# Altium PCB PCB1.PcbDoc (part 5 of 15) (continued)
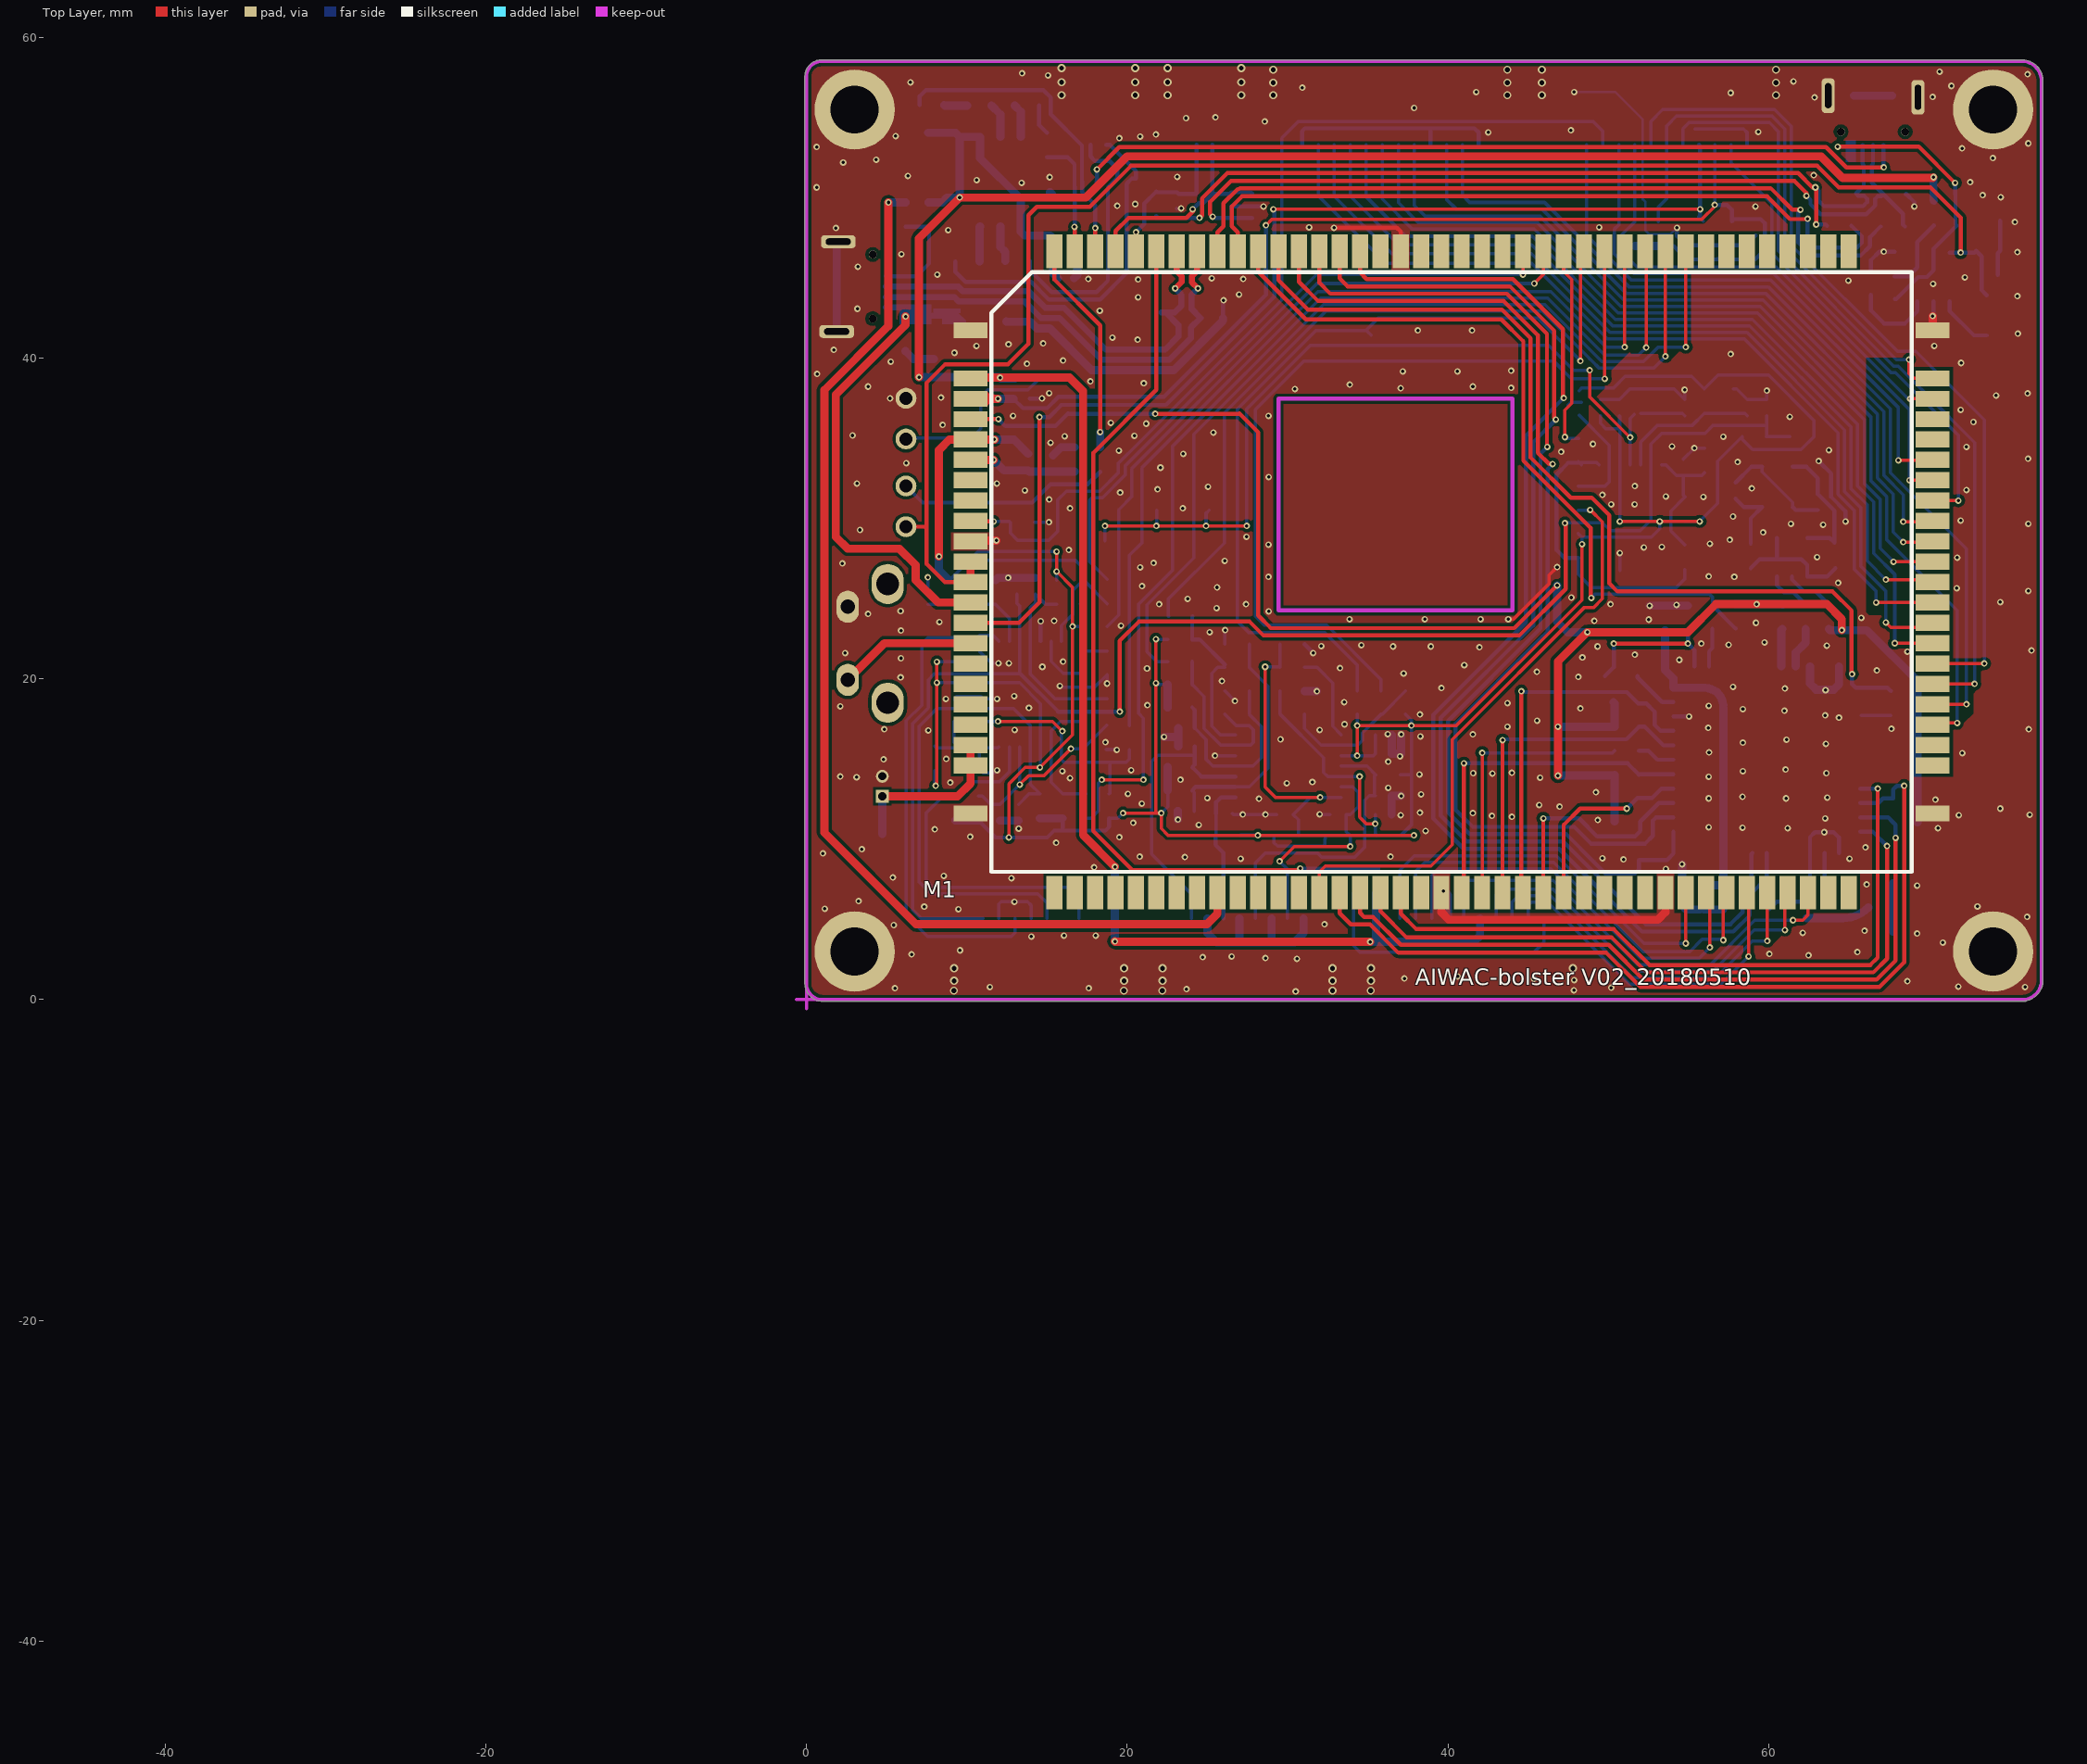
[diagram p0: Top Layer view]
## Free pads (board coordinates) (continued)
1(-45.268,-43.975) 1(-45.268,-43.975) 1(-45.268,-43.975) 1(-45.268,-43.975) 1(-45.268,-43.975) 1(-45.268,-43.975) 1(-45.268,-43.98) 1(-45.268,-43.98) 1(-45.268,-43.98) 1(-45.268,-43.976) 1(-45.268,-43.976) 1(-45.268,-43.976) 1(-45.268,-43.976) 1(-45.268,-43.976) 1(-45.268,-43.976) 1(-45.268,-43.99) 1(-45.268,-43.99) 1(-45.268,-43.99) 1(-45.268,-44.01) 1(-45.268,-44.01) 1(-45.268,-44.01) 1(-45.268,-43.97) 1(-45.268,-43.97) 1(-45.268,-43.97) 1(-45.268,-44.001) 1(-45.268,-44.001) 1(-45.268,-44.001) 1(-45.268,-43.999) 1(-45.268,-43.999) 1(-45.268,-43.999) 1(-45.268,-43.978) 1(-45.268,-43.978) 1(-45.268,-43.978) 1(-45.268,-43.977) 1(-45.268,-43.977) 1(-45.268,-43.977) 1(-45.268,-43.977) 1(-45.268,-43.977) 1(-45.268,-43.977) 1(-45.268,-44.005) 1(-45.268,-44.005) 1(-45.268,-44.005) 1(-45.268,-43.977) 1(-45.268,-43.977) 1(-45.268,-43.977) 1(-45.268,-43.977) 1(-45.268,-43.977) 1(-45.268,-43.977) 1(-45.268,-43.975) 1(-45.268,-43.975) 1(-45.268,-43.975) 1(-45.268,-43.975) 1(-45.268,-43.975) 1(-45.268,-43.975) 1(-45.268,-43.981) 1(-45.268,-43.981) 1(-45.268,-43.981) 1(-45.268,-43.998) 1(-45.268,-43.998) 1(-45.268,-43.998) 1(-45.268,-44.002) 1(-45.268,-44.002) 1(-45.268,-44.002) 1(-45.267,-43.973) 1(-45.267,-43.973) 1(-45.267,-43.973) 1(-45.267,-43.973) 1(-45.267,-43.973) 1(-45.267,-43.973) 1(-45.267,-43.974) 1(-45.267,-43.974) 1(-45.267,-43.974) 1(-45.267,-43.974) 1(-45.267,-43.974) 1(-45.267,-43.974) 1(-45.267,-43.977) 1(-45.267,-43.977) 1(-45.267,-43.977) 1(-45.267,-43.977) 1(-45.267,-43.977) 1(-45.267,-43.977) 1(-45.267,-43.975) 1(-45.267,-43.975) 1(-45.267,-43.975) 1(-45.267,-43.975) 1(-45.267,-43.975) 1(-45.267,-43.975) 1(-45.267,-44.022) 1(-45.267,-44.022) 1(-45.267,-44.022) 1(-45.267,-44.006) 1(-45.267,-44.006) 1(-45.267,-44.006) 1(-45.267,-43.974) 1(-45.267,-43.974) 1(-45.267,-43.974) 1(-45.267,-43.974) 1(-45.267,-43.974) 1(-45.267,-43.974) 1(-45.267,-43.978) 1(-45.267,-43.978) 1(-45.267,-43.978) 1(-45.267,-43.977) 1(-45.267,-43.977) 1(-45.267,-43.977) 1(-45.267,-43.977) 1(-45.267,-43.977) 1(-45.267,-43.977) 1(-45.267,-43.988) 1(-45.267,-43.988) 1(-45.267,-43.988) 1(-45.267,-43.988) 1(-45.267,-43.988) 1(-45.267,-43.988) 1(-45.267,-43.981) 1(-45.267,-43.981) 1(-45.267,-43.981) 1(-45.267,-43.974) 1(-45.267,-43.974) 1(-45.267,-43.974) 1(-45.267,-43.974) 1(-45.267,-43.974) 1(-45.267,-43.974) 1(-45.267,-43.988) 1(-45.267,-43.988) 1(-45.267,-43.988) 1(-45.267,-43.988) 1(-45.267,-43.988) 1(-45.267,-43.988) 1(-45.267,-43.974) 1(-45.267,-43.974) 1(-45.267,-43.974) 1(-45.267,-43.974) 1(-45.267,-43.974) 1(-45.267,-43.974) 1(-45.267,-44.016) 1(-45.267,-44.016) 1(-45.267,-44.016) 1(-45.267,-43.975) 1(-45.267,-43.975) 1(-45.267,-43.975) 1(-45.267,-43.975) 1(-45.267,-43.975) 1(-45.267,-43.975) 1(-45.266,-44.013) 1(-45.266,-44.013) 1(-45.266,-44.013) 1(-45.266,-43.98) 1(-45.266,-43.98) 1(-45.266,-43.98) 1(-45.266,-44) 1(-45.266,-44) 1(-45.266,-44) 1(-45.266,-43.996) 1(-45.266,-43.996) 1(-45.266,-43.996) 1(-45.266,-43.995) 1(-45.266,-43.995) 1(-45.266,-43.995) 1(-45.266,-43.995) 1(-45.266,-43.995) 1(-45.266,-43.995) 1(-45.266,-44.001) 1(-45.266,-44.001) 1(-45.266,-44.001) 1(-45.266,-44.001) 1(-45.266,-44.001) 1(-45.266,-44.001) 1(-45.266,-44.015) 1(-45.266,-44.015) 1(-45.266,-44.015) 1(-45.266,-44.015) 1(-45.266,-44.015) 1(-45.266,-44.015) 1(-45.266,-44.015) 1(-45.266,-44.015) 1(-45.266,-44.015) 1(-45.265,-43.98) 1(-45.265,-43.98) 1(-45.265,-43.98) 1(-45.265,-43.98) 1(-45.265,-43.98) 1(-45.265,-43.98) 1(-45.265,-43.978) 1(-45.265,-43.978) 1(-45.265,-43.978) 1(-45.265,-44.001) 1(-45.265,-44.001) 1(-45.265,-44.001) 1(-45.265,-44.001) 1(-45.265,-44.001) 1(-45.265,-44.001) 1(-45.265,-43.99) 1(-45.265,-43.99) 1(-45.265,-43.99) 1(-45.265,-43.99) 1(-45.265,-43.99) 1(-45.265,-43.99) 1(-45.265,-44.012) 1(-45.265,-44.012) 1(-45.265,-44.012) 1(-45.265,-44.002) 1(-45.265,-44.002) 1(-45.265,-44.002) 1(-45.265,-44.002) 1(-45.265,-44.002) 1(-45.265,-44.002) 1(-45.265,-43.975) 1(-45.265,-43.975) 1(-45.265,-43.975) 1(-45.265,-43.97) 1(-45.265,-43.97) 1(-45.265,-43.97) 1(-45.265,-44.012) 1(-45.265,-44.012) 1(-45.265,-44.012) 1(-45.265,-44.012) 1(-45.265,-44.012) 1(-45.265,-44.012) 1(-45.265,-44.004) 1(-45.265,-44.004) 1(-45.265,-44.004) 1(-45.265,-44.004) 1(-45.265,-44.004) 1(-45.265,-44.004) 1(-45.265,-44.022) 1(-45.265,-44.022) 1(-45.265,-44.022) 1(-45.265,-44.013) 1(-45.265,-44.013) 1(-45.265,-44.013) 1(-45.265,-43.977) 1(-45.265,-43.977) 1(-45.265,-43.977) 1(-45.265,-43.977) 1(-45.265,-43.977) 1(-45.265,-43.977) 1(-45.265,-43.999) 1(-45.265,-43.999) 1(-45.265,-43.999) 1(-45.265,-43.997) 1(-45.265,-43.997) 1(-45.265,-43.997) 1(-45.265,-43.989) 1(-45.265,-43.989) 1(-45.265,-43.989) 1(-45.265,-44.001) 1(-45.265,-44.001) 1(-45.265,-44.001) 1(-45.265,-43.992) 1(-45.265,-43.992) 1(-45.265,-43.992) 1(-45.265,-44.002) 1(-45.265,-44.002) 1(-45.265,-44.002) 1(-45.265,-44.002) 1(-45.265,-44.002) 1(-45.265,-44.002) 1(-45.265,-43.976) 1(-45.265,-43.976) 1(-45.265,-43.976) 1(-45.265,-43.976) 1(-45.265,-43.976) 1(-45.265,-43.976) 1(-45.265,-43.976) 1(-45.265,-43.976) 1(-45.265,-43.976) 1(-45.265,-43.976) 1(-45.265,-43.976) 1(-45.265,-43.976) 1(-45.264,-44.012) 1(-45.264,-44.012) 1(-45.264,-44.012) 1(-45.264,-44.012) 1(-45.264,-44.012) 1(-45.264,-44.012) 1(-45.264,-43.98) 1(-45.264,-43.98) 1(-45.264,-43.98) 1(-45.264,-43.98) 1(-45.264,-43.98) 1(-45.264,-43.98) 1(-45.264,-43.978) 1(-45.264,-43.978) 1(-45.264,-43.978) 1(-45.264,-44.016) 1(-45.264,-44.016) 1(-45.264,-44.016) 1(-45.264,-44.016) 1(-45.264,-44.016) 1(-45.264,-44.016) 1(-45.264,-44.009) 1(-45.264,-44.009) 1(-45.264,-44.009) 1(-45.264,-44.011) 1(-45.264,-44.011) 1(-45.264,-44.011) 1(-45.263,-44.015) 1(-45.263,-44.015) 1(-45.263,-44.015) 1(-45.263,-44.015) 1(-45.263,-44.015) 1(-45.263,-44.015) 1(-45.263,-43.987) 1(-45.263,-43.987) 1(-45.263,-43.987) 1(-45.263,-44.024) 1(-45.263,-44.024) 1(-45.263,-44.024) 1(-45.263,-44.022) 1(-45.263,-44.022) 1(-45.263,-44.022) 1(-45.263,-44.017) 1(-45.263,-44.017) 1(-45.263,-44.017) 1(-45.263,-44.017) 1(-45.263,-44.017) 1(-45.263,-44.017) 1(-45.263,-43.98) 1(-45.263,-43.98) 1(-45.263,-43.98) 1(-45.263,-43.98) 1(-45.263,-43.98) 1(-45.263,-43.98) 1(-45.263,-43.978) 1(-45.263,-43.978) 1(-45.263,-43.978) 1(-45.263,-44.017) 1(-45.263,-44.017) 1(-45.263,-44.017) 1(-45.263,-44.017) 1(-45.263,-44.017) 1(-45.263,-44.017) 1(-45.263,-43.968) 1(-45.263,-43.968) 1(-45.263,-43.968) 1(-45.263,-43.983) 1(-45.263,-43.983) 1(-45.263,-43.983) 1(-45.263,-43.983) 1(-45.263,-43.983) 1(-45.263,-43.983) 1(-45.262,-43.982) 1(-45.262,-43.982) 1(-45.262,-43.982) 1(-45.262,-43.982) 1(-45.262,-43.982) 1(-45.262,-43.982) 1(-45.262,-43.977) 1(-45.262,-43.977) 1(-45.262,-43.977) 1(-45.262,-44.011) 1(-45.262,-44.011) 1(-45.262,-44.011) 1(-45.262,-44.003) 1(-45.262,-44.003) 1(-45.262,-44.003) 1(-45.262,-44.006) 1(-45.262,-44.006) 1(-45.262,-44.006) 1(-45.262,-43.981) 1(-45.262,-43.981) 1(-45.262,-43.981) 1(-45.262,-43.981) 1(-45.262,-43.981) 1(-45.262,-43.981) 1(-45.262,-44.018) 1(-45.262,-44.018) 1(-45.262,-44.018) 1(-45.262,-44.017) 1(-45.262,-44.017) 1(-45.262,-44.017) 1(-45.262,-44.017) 1(-45.262,-44.017) 1(-45.262,-44.017) 1(-45.262,-43.98) 1(-45.262,-43.98) 1(-45.262,-43.98) 1(-45.262,-43.98) 1(-45.262,-43.98) 1(-45.262,-43.98) 1(-45.262,-43.978) 1(-45.262,-43.978) 1(-45.262,-43.978) 1(-45.262,-44.013) 1(-45.262,-44.013) 1(-45.262,-44.013) 1(-45.262,-44.008) 1(-45.262,-44.008) 1(-45.262,-44.008) 1(-45.262,-44.012) 1(-45.262,-44.012) 1(-45.262,-44.012) 1(-45.262,-44.012) 1(-45.262,-44.012) 1(-45.262,-44.012) 1(-45.262,-44.003) 1(-45.262,-44.003) 1(-45.262,-44.003) 1(-45.261,-44.02) 1(-45.261,-44.02) 1(-45.261,-44.02) 1(-45.261,-44.017) 1(-45.261,-44.017) 1(-45.261,-44.017) 1(-45.261,-44.017) 1(-45.261,-44.017) 1(-45.261,-44.017) 1(-45.261,-43.981) 1(-45.261,-43.981) 1(-45.261,-43.981) 1(-45.261,-43.981) 1(-45.261,-43.981) 1(-45.261,-43.981) 1(-45.261,-43.977) 1(-45.261,-43.977) 1(-45.261,-43.977) 1(-45.261,-43.977) 1(-45.261,-43.977) 1(-45.261,-43.977) 1(-45.26,-44.02) 1(-45.26,-44.02) 1(-45.26,-44.02) 1(-45.26,-44.02) 1(-45.26,-44.02) 1(-45.26,-44.02) 1(-45.26,-44.018) 1(-45.26,-44.018) 1(-45.26,-44.018) 1(-45.26,-43.98) 1(-45.26,-43.98) 1(-45.26,-43.98) 1(-45.26,-43.98) 1(-45.26,-43.98) 1(-45.26,-43.98) 1(-45.26,-43.978) 1(-45.26,-43.978) 1(-45.26,-43.978) 1(-45.26,-44.004) 1(-45.26,-44.004) 1(-45.26,-44.004) 1(-45.26,-44.006) 1(-45.26,-44.006) 1(-45.26,-44.006) 1(-45.26,-44.008) 1(-45.26,-44.008) 1(-45.26,-44.008) 1(-45.26,-43.98) 1(-45.26,-43.98) 1(-45.26,-43.98) 1(-45.26,-43.98) 1(-45.26,-43.98) 1(-45.26,-43.98) 1(-45.26,-44.001) 1(-45.26,-44.001) 1(-45.26,-44.001) 1(-45.26,-43.987) 1(-45.26,-43.987) 1(-45.26,-43.987) 1(-45.26,-44.015) 1(-45.26,-44.015) 1(-45.26,-44.015) 1(-45.26,-44.015) 1(-45.26,-44.015) 1(-45.26,-44.015) 1(-45.26,-44.02) 1(-45.26,-44.02) 1(-45.26,-44.02) 1(-45.26,-44.02) 1(-45.26,-44.02) 1(-45.26,-44.02) 1(-45.259,-44.01) 1(-45.259,-44.01) 1(-45.259,-44.01) 1(-45.259,-44.01) 1(-45.259,-44.01) 1(-45.259,-44.01) 1(-45.259,-44.008) 1(-45.259,-44.008) 1(-45.259,-44.008) 1(-45.259,-44.008) 1(-45.259,-44.008) 1(-45.259,-44.008) 1(-45.259,-44.008) 1(-45.259,-44.008) 1(-45.259,-44.008) 1(-45.259,-44.014) 1(-45.259,-44.014) 1(-45.259,-44.014) 1(-45.259,-44.014) 1(-45.259,-44.014) 1(-45.259,-44.014) 1(-45.259,-44.011) 1(-45.259,-44.011) 1(-45.259,-44.011) 1(-45.259,-44.011) 1(-45.259,-44.011) 1(-45.259,-44.011) 1(-45.259,-44.02) 1(-45.259,-44.02) 1(-45.259,-44.02) 1(-45.259,-44.02) 1(-45.259,-44.02) 1(-45.259,-44.02) 1(-45.259,-44.018) 1(-45.259,-44.018) 1(-45.259,-44.018) 1(-45.259,-43.98) 1(-45.259,-43.98) 1(-45.259,-43.98) 1(-45.259,-43.98) 1(-45.259,-43.98) 1(-45.259,-43.98) 1(-45.259,-43.978) 1(-45.259,-43.978) 1(-45.259,-43.978) 1(-45.259,-43.978) 1(-45.259,-43.978) 1(-45.259,-43.978) 1(-45.259,-43.978) 1(-45.259,-43.978) 1(-45.259,-43.978) 1(-45.259,-44.003) 1(-45.259,-44.003) 1(-45.259,-44.003) 1(-45.259,-44.02) 1(-45.259,-44.02) 1(-45.259,-44.02) 1(-45.259,-44.02) 1(-45.259,-44.02) 1(-45.259,-44.02) 1(-45.259,-44.014) 1(-45.259,-44.014) 1(-45.259,-44.014) 1(-45.259,-44.014) 1(-45.259,-44.014) 1(-45.259,-44.014) 1(-45.259,-43.98) 1(-45.259,-43.98) 1(-45.259,-43.98) 1(-45.259,-43.98) 1(-45.259,-43.98) 1(-45.259,-43.98) 1(-45.259,-44.02) 1(-45.259,-44.02) 1(-45.259,-44.02) 1(-45.259,-44.02) 1(-45.259,-44.02) 1(-45.259,-44.02) 1(-45.259,-44.021) 1(-45.259,-44.021) 1(-45.259,-44.021) 1(-45.258,-44.02) 1(-45.258,-44.02) 1(-45.258,-44.02) 1(-45.258,-44.02) 1(-45.258,-44.02) 1(-45.258,-44.02) 1(-45.258,-44.014) 1(-45.258,-44.014) 1(-45.258,-44.014) 1(-45.258,-44.014) 1(-45.258,-44.014) 1(-45.258,-44.014) 1(-45.258,-44.019) 1(-45.258,-44.019) 1(-45.258,-44.019) 1(-45.258,-44.019) 1(-45.258,-44.019) 1(-45.258,-44.019) 1(-45.258,-44.018) 1(-45.258,-44.018) 1(-45.258,-44.018) 1(-45.257,-44.008) 1(-45.257,-44.008) 1(-45.257,-44.008) 1(-45.257,-44.012) 1(-45.257,-44.012) 1(-45.257,-44.012) 1(-45.257,-44.01) 1(-45.257,-44.01) 1(-45.257,-44.01) 1(-45.257,-44.016) 1(-45.257,-44.016) 1(-45.257,-44.016) 1(-45.257,-44.003) 1(-45.257,-44.003) 1(-45.257,-44.003) 1(-45.257,-43.977) 1(-45.257,-43.977) 1(-45.257,-43.977) 1(-45.257,-43.977) 1(-45.257,-43.977) 1(-45.257,-43.977) 1(-45.257,-44.022) 1(-45.257,-44.022) 1(-45.257,-44.022) 1(-45.257,-44.022) 1(-45.257,-44.022) 1(-45.257,-44.022) 1(-45.257,-44.01) 1(-45.257,-44.01) 1(-45.257,-44.01) 1(-45.257,-44.02) 1(-45.257,-44.02) 1(-45.257,-44.02) 1(-45.257,-44.02) 1(-45.257,-44.02) 1(-45.257,-44.02) 1(-45.257,-44.018) 1(-45.257,-44.018) 1(-45.257,-44.018) 1(-45.257,-43.978) 1(-45.257,-43.978) 1(-45.257,-43.978) 1(-45.257,-43.977) 1(-45.257,-43.977) 1(-45.257,-43.977) 1(-45.257,-43.977) 1(-45.257,-43.977) 1(-45.257,-43.977) 1(-45.257,-44.022) 1(-45.257,-44.022) 1(-45.257,-44.022) 1(-45.257,-44.022) 1(-45.257,-44.022) 1(-45.257,-44.022) 1(-45.257,-44.013) 1(-45.257,-44.013) 1(-45.257,-44.013) 1(-45.257,-43.987) 1(-45.257,-43.987) 1(-45.257,-43.987) 1(-45.257,-44.012) 1(-45.257,-44.012) 1(-45.257,-44.012) 1(-45.257,-44.008) 1(-45.257,-44.008) 1(-45.257,-44.008) 1(-45.256,-43.986) 1(-45.256,-43.986) 1(-45.256,-43.986) 1(-45.256,-44.005) 1(-45.256,-44.005) 1(-45.256,-44.005) 1(-45.256,-44.024) 1(-45.256,-44.024) 1(-45.256,-44.024) 1(-45.256,-44.021) 1(-45.256,-44.021) 1(-45.256,-44.021) 1(-45.256,-44.021) 1(-45.256,-44.021) 1(-45.256,-44.021) 1(-45.256,-44.008) 1(-45.256,-44.008) 1(-45.256,-44.008) 1(-45.256,-44.008) 1(-45.256,-44.008) 1(-45.256,-44.008) 1(-45.256,-44.008) 1(-45.256,-44.008) 1(-45.256,-44.008) 1(-45.256,-44.015) 1(-45.256,-44.015) 1(-45.256,-44.015) 1(-45.256,-44.015) 1(-45.256,-44.015) 1(-45.256,-44.015) 1(-45.256,-43.969) 1(-45.256,-43.969) 1(-45.256,-43.969) 1(-45.256,-44.021) 1(-45.256,-44.021) 1(-45.256,-44.021) 1(-45.256,-44.021) 1(-45.256,-44.021) 1(-45.256,-44.021) 1(-45.256,-43.983) 1(-45.256,-43.983) 1(-45.256,-43.983) 1(-45.255,-44.011) 1(-45.255,-44.011) 1(-45.255,-44.011) 1(-45.255,-44.013) 1(-45.255,-44.013) 1(-45.255,-44.013) 1(-45.255,-44.007) 1(-45.255,-44.007) 1(-45.255,-44.007) 1(-45.255,-44.009) 1(-45.255,-44.009) 1(-45.255,-44.009) 1(-45.255,-44.012) 1(-45.255,-44.012) 1(-45.255,-44.012) 1(-45.255,-44.001) 1(-45.255,-44.001) 1(-45.255,-44.001) 1(-45.255,-44.014) 1(-45.255,-44.014) 1(-45.255,-44.014) 1(-45.255,-44.017) 1(-45.255,-44.017) 1(-45.255,-44.017) 1(-45.255,-44.017) 1(-45.255,-44.017) 1(-45.255,-44.017) 1(-45.255,-44.003) 1(-45.255,-44.003) 1(-45.255,-44.003) 1(-45.254,-44.005) 1(-45.254,-44.005) 1(-45.254,-44.005) 1(-45.254,-44.018) 1(-45.254,-44.018) 1(-45.254,-44.018) 1(-45.253,-44.015) 1(-45.253,-44.015) 1(-45.253,-44.015) 1(-45.253,-44.015) 1(-45.253,-44.015) 1(-45.253,-44.015) 1(-45.253,-44.009) 1(-45.253,-44.009) 1(-45.253,-44.009) 1(-45.253,-44.009) 1(-45.253,-44.009) 1(-45.253,-44.009) 1(-45.253,-44.008) 1(-45.253,-44.008) 1(-45.253,-44.008) 1(-45.253,-44.008) 1(-45.253,-44.008) 1(-45.253,-44.008) 1(-45.253,-43.986) 1(-45.253,-43.986) 1(-45.253,-43.986) 1(-45.253,-44.023) 1(-45.253,-44.023) 1(-45.253,-44.023) 1(-45.253,-44.018) 1(-45.253,-44.018) 1(-45.253,-44.018) 1(-45.253,-44.018) 1(-45.253,-44.018) 1(-45.253,-44.018) 1(-45.253,-44.018) 1(-45.253,-44.018) 1(-45.253,-44.018) 1(-45.253,-44.01) 1(-45.253,-44.01) 1(-45.253,-44.01) 1(-45.253,-44.01) 1(-45.253,-44.01) 1(-45.253,-44.01) 1(-45.253,-44.004) 1(-45.253,-44.004) 1(-45.253,-44.004) 1(-45.252,-43.983) 1(-45.252,-43.983) 1(-45.252,-43.983) 1(-45.252,-44.013) 1(-45.252,-44.013) 1(-45.252,-44.013) 1(-45.252,-44.008) 1(-45.252,-44.008) 1(-45.252,-44.008) 1(-45.252,-43.987) 1(-45.252,-43.987) 1(-45.252,-43.987) 1(-45.252,-44.011) 1(-45.252,-44.011) 1(-45.252,-44.011) 1(-45.252,-43.968) 1(-45.252,-43.968) 1(-45.252,-43.968) 1(-45.252,-44.003) 1(-45.252,-44.003) 1(-45.252,-44.003) 1(-45.252,-44.001) 1(-45.252,-44.001) 1(-45.252,-44.001) 1(-45.252,-44.019) 1(-45.252,-44.019) 1(-45.252,-44.019) 1(-45.252,-44.018) 1(-45.252,-44.018) 1(-45.252,-44.018) 1(-45.252,-44.018) 1(-45.252,-44.018) 1(-45.252,-44.018) 1(-45.252,-44.01) 1(-45.252,-44.01) 1(-45.252,-44.01) 1(-45.252,-44.01) 1(-45.252,-44.01) 1(-45.252,-44.01) 1(-45.252,-44.01) 1(-45.252,-44.01) 1(-45.252,-44.01) 1(-45.252,-44.01) 1(-45.252,-44.01) 1(-45.252,-44.01) 1(-45.251,-43.971) 1(-45.251,-43.971) 1(-45.251,-43.971) 1(-45.251,-44.013) 1(-45.251,-44.013) 1(-45.251,-44.013) 1(-45.251,-44.011) 1(-45.251,-44.011) 1(-45.251,-44.011) 1(-45.25,-43.983) 1(-45.25,-43.983) 1(-45.25,-43.983) 1(-45.25,-43.983) 1(-45.25,-43.983) 1(-45.25,-43.983) 1(-45.25,-43.982) 1(-45.25,-43.982) 1(-45.25,-43.982) 1(-45.25,-43.982) 1(-45.25,-43.982) 1(-45.25,-43.982) 1(-45.25,-44.018) 1(-45.25,-44.018) 1(-45.25,-44.018) 1(-45.25,-44.009) 1(-45.25,-44.009) 1(-45.25,-44.009) 1(-45.25,-44.009) 1(-45.25,-44.009) 1(-45.25,-44.009) 1(-45.25,-43.981) 1(-45.25,-43.981) 1(-45.25,-43.981) 1(-45.25,-43.981) 1(-45.25,-43.981) 1(-45.25,-43.981) 1(-45.25,-43.981) 1(-45.25,-43.981) 1(-45.25,-43.981) 1(-45.25,-43.981) 1(-45.25,-43.981) 1(-45.25,-43.981) 1(-45.25,-44.008) 1(-45.25,-44.008) 1(-45.25,-44.008) 1(-45.25,-44.006) 1(-45.25,-44.006) 1(-45.25,-44.006) 1(-45.25,-44.001) 1(-45.25,-44.001) 1(-45.25,-44.001) 1(-45.25,-44.001) 1(-45.25,-44.001) 1(-45.25,-44.001) 1(-45.25,-43.98) 1(-45.25,-43.98) 1(-45.25,-43.98) 1(-45.25,-43.98) 1(-45.25,-43.98) 1(-45.25,-43.98) 1(-45.25,-43.987) 1(-45.25,-43.987) 1(-45.25,-43.987) 1(-45.25,-43.986) 1(-45.25,-43.986) 1(-45.25,-43.986) 1(-45.25,-44.014) 1(-45.25,-44.014) 1(-45.25,-44.014) 1(-45.25,-44.011) 1(-45.25,-44.011) 1(-45.25,-44.011) 1(-45.25,-43.98) 1(-45.25,-43.98) 1(-45.25,-43.98) 1(-45.25,-43.98) 1(-45.25,-43.98) 1(-45.25,-43.98) 1(-45.25,-44.001) 1(-45.25,-44.001) 1(-45.25,-44.001) 1(-45.25,-44.001) 1(-45.25,-44.001) 1(-45.25,-44.001) 1(-45.25,-44.002) 1(-45.25,-44.002) 1(-45.25,-44.002) 1(-45.25,-44.002) 1(-45.25,-44.002) 1(-45.25,-44.002) 1(-45.249,-44.002) 1(-45.249,-44.002) 1(-45.249,-44.002) 1(-45.249,-44.002) 1(-45.249,-44.002) 1(-45.249,-44.002) 1(-45.249,-44.018) 1(-45.249,-44.018) 1(-45.249,-44.018) 1(-45.249,-44.018) 1(-45.249,-44.018) 1(-45.249,-44.018) 1(-45.249,-44.006) 1(-45.249,-44.006) 1(-45.249,-44.006) 1(-45.249,-44.006) 1(-45.249,-44.006) 1(-45.249,-44.006) 1(-45.249,-44.018) 1(-45.249,-44.018) 1(-45.249,-44.018) 1(-45.249,-43.98) 1(-45.249,-43.98) 1(-45.249,-43.98) 1(-45.249,-43.98) 1(-45.249,-43.98) 1(-45.249,-43.98) 1(-45.249,-43.978) 1(-45.249,-43.978) 1(-45.249,-43.978) 1(-45.249,-43.98) 1(-45.249,-43.98) 1(-45.249,-43.98) 1(-45.249,-43.98) 1(-45.249,-43.98) 1(-45.249,-43.98) 1(-45.249,-43.991) 1(-45.249,-43.991) 1(-45.249,-43.991) 1(-45.249,-43.991) 1(-45.249,-43.991) 1(-45.249,-43.991) 1(-45.249,-43.984) 1(-45.249,-43.984) 1(-45.249,-43.984) 1(-45.249,-43.984) 1(-45.249,-43.984) 1(-45.249,-43.984) 1(-45.248,-43.991) 1(-45.248,-43.991) 1(-45.248,-43.991) 1(-45.248,-43.991) 1(-45.248,-43.991) 1(-45.248,-43.991) 1(-45.248,-43.984) 1(-45.248,-43.984) 1(-45.248,-43.984) 1(-45.248,-43.984) 1(-45.248,-43.984) 1(-45.248,-43.984) 1(-45.248,-44.024) 1(-45.248,-44.024) 1(-45.248,-44.024) 1(-45.248,-43.98) 1(-45.248,-43.98) 1(-45.248,-43.98) 1(-45.248,-43.98) 1(-45.248,-43.98) 1(-45.248,-43.98) 1(-45.248,-44.004) 1(-45.248,-44.004) 1(-45.248,-44.004) 1(-45.248,-44.008) 1(-45.248,-44.008) 1(-45.248,-44.008) 1(-45.248,-43.991) 1(-45.248,-43.991) 1(-45.248,-43.991) 1(-45.248,-43.991) 1(-45.248,-43.991) 1(-45.248,-43.991) 1(-45.248,-43.984) 1(-45.248,-43.984) 1(-45.248,-43.984) 1(-45.248,-43.984) 1(-45.248,-43.984) 1(-45.248,-43.984) 1(-45.248,-44.013) 1(-45.248,-44.013) 1(-45.248,-44.013) 1(-45.248,-44.011) 1(-45.248,-44.011) 1(-45.248,-44.011) 1(-45.248,-44.018) 1(-45.248,-44.018) 1(-45.248,-44.018) 1(-45.248,-44.018) 1(-45.248,-44.018) 1(-45.248,-44.018) 1(-45.248,-44.014) 1(-45.248,-44.014) 1(-45.248,-44.014) 1(-45.248,-44.014) 1(-45.248,-44.014) 1(-45.248,-44.014) 1(-45.248,-43.98) 1(-45.248,-43.98) 1(-45.248,-43.98) 1(-45.248,-43.98) 1(-45.248,-43.98) 1(-45.248,-43.98) 1(-45.248,-43.978) 1(-45.248,-43.978) 1(-45.248,-43.978) 1(-45.248,-44.014) 1(-45.248,-44.014) 1(-45.248,-44.014) 1(-45.248,-44.014) 1(-45.248,-44.014) 1(-45.248,-44.014) 1(-45.248,-44.018) 1(-45.248,-44.018) 1(-45.248,-44.018) 1(-45.247,-43.99) 1(-45.247,-43.99) 1(-45.247,-43.99) 1(-45.247,-43.99) 1(-45.247,-43.99) 1(-45.247,-43.99) 1(-45.247,-43.983) 1(-45.247,-43.983) 1(-45.247,-43.983) 1(-45.247,-43.983) 1(-45.247,-43.983) 1(-45.247,-43.983) 1(-45.247,-43.99) 1(-45.247,-43.99) 1(-45.247,-43.99) 1(-45.247,-43.99) 1(-45.247,-43.99) 1(-45.247,-43.99) 1(-45.247,-43.999) 1(-45.247,-43.999) 1(-45.247,-43.999) 1(-45.247,-43.999) 1(-45.247,-43.999) 1(-45.247,-43.999) 1(-45.247,-43.998) 1(-45.247,-43.998) 1(-45.247,-43.998) 1(-45.247,-43.998) 1(-45.247,-43.998) 1(-45.247,-43.998) 1(-45.247,-43.992) 1(-45.247,-43.992) 1(-45.247,-43.992) 1(-45.247,-43.992) 1(-45.247,-43.992) 1(-45.247,-43.992) 1(-45.247,-43.992) 1(-45.247,-43.992) 1(-45.247,-43.992) 1(-45.247,-43.992) 1(-45.247,-43.992) 1(-45.247,-43.992) 1(-45.247,-43.989) 1(-45.247,-43.989) 1(-45.247,-43.989) 1(-45.247,-43.989) 1(-45.247,-43.989) 1(-45.247,-43.989) 1(-45.247,-43.983) 1(-45.247,-43.983) 1(-45.247,-43.983) 1(-45.247,-43.983) 1(-45.247,-43.983) 1(-45.247,-43.983) 1(-45.247,-43.989) 1(-45.247,-43.989) 1(-45.247,-43.989) 1(-45.247,-43.989) 1(-45.247,-43.989) 1(-45.247,-43.989) 1(-45.247,-43.999) 1(-45.247,-43.999) 1(-45.247,-43.999) 1(-45.247,-43.999) 1(-45.247,-43.999) 1(-45.247,-43.999) 1(-45.247,-43.998) 1(-45.247,-43.998) 1(-45.247,-43.998) 1(-45.247,-43.998) 1(-45.247,-43.998) 1(-45.247,-43.998) 1(-45.247,-44.011) 1(-45.247,-44.011) 1(-45.247,-44.011) 1(-45.247,-44.008) 1(-45.247,-44.008) 1(-45.247,-44.008) 1(-45.247,-44.013) 1(-45.247,-44.013) 1(-45.247,-44.013) 1(-45.247,-43.991) 1(-45.247,-43.991) 1(-45.247,-43.991) 1(-45.246,-43.987) 1(-45.246,-43.987) 1(-45.246,-43.987) 1(-45.246,-43.987) 1(-45.246,-43.987) 1(-45.246,-43.987) 1(-45.246,-43.983) 1(-45.246,-43.983) 1(-45.246,-43.983) 1(-45.246,-43.983) 1(-45.246,-43.983) 1(-45.246,-43.983) 1(-45.246,-44.018) 1(-45.246,-44.018) 1(-45.246,-44.018) 1(-45.246,-44.014) 1(-45.246,-44.014) 1(-45.246,-44.014) 1(-45.246,-44.014) 1(-45.246,-44.014) 1(-45.246,-44.014) 1(-45.246,-43.98) 1(-45.246,-43.98) 1(-45.246,-43.98) 1(-45.246,-43.98) 1(-45.246,-43.98) 1(-45.246,-43.98) 1(-45.246,-43.978) 1(-45.246,-43.978) 1(-45.246,-43.978) 1(-45.246,-43.987) 1(-45.246,-43.987) 1(-45.246,-43.987) 1(-45.246,-43.987) 1(-45.246,-43.987) 1(-45.246,-43.987) 1(-45.246,-43.995) 1(-45.246,-43.995) 1(-45.246,-43.995) 1(-45.246,-43.995) 1(-45.246,-43.995) 1(-45.246,-43.995) 1(-45.246,-43.99) 1(-45.246,-43.99) 1(-45.246,-43.99) 1(-45.246,-43.99) 1(-45.246,-43.99) 1(-45.246,-43.99) 1(-45.246,-43.988) 1(-45.246,-43.988) 1(-45.246,-43.988) 1(-45.246,-43.988) 1(-45.246,-43.988) 1(-45.246,-43.988) 1(-45.246,-43.999) 1(-45.246,-43.999) 1(-45.246,-43.999) 1(-45.246,-43.999) 1(-45.246,-43.999) 1(-45.246,-43.999) 1(-45.246,-43.995) 1(-45.246,-43.995) 1(-45.246,-43.995) 1(-45.246,-43.995) 1(-45.246,-43.995) 1(-45.246,-43.995) 1(-45.246,-43.994) 1(-45.246,-43.994) 1(-45.246,-43.994) 1(-45.246,-43.994) 1(-45.246,-43.994) 1(-45.246,-43.994) 1(-45.246,-43.971) 1(-45.246,-43.971) 1(-45.246,-43.971) 1(-45.246,-44) 1(-45.246,-44) 1(-45.246,-44) 1(-45.246,-43.988) 1(-45.246,-43.988) 1(-45.246,-43.988) 1(-45.246,-43.988) 1(-45.246,-43.988) 1(-45.246,-43.988) 1(-45.246,-43.98) 1(-45.246,-43.98) 1(-45.246,-43.98) 1(-45.246,-43.98) 1(-45.246,-43.98) 1(-45.246,-43.98) 1(-45.246,-44.024) 1(-45.246,-44.024) 1(-45.246,-44.024) 1(-45.246,-44.024) 1(-45.246,-44.024) 1(-45.246,-44.024) 1(-45.246,-43.968) 1(-45.246,-43.968) 1(-45.246,-43.968) 1(-45.246,-43.979) 1(-45.246,-43.979) 1(-45.246,-43.979) 1(-45.246,-43.979) 1(-45.246,-43.979) 1(-45.246,-43.979) 1(-45.246,-44.005) 1(-45.246,-44.005) 1(-45.246,-44.005) 1(-45.245,-44.013) 1(-45.245,-44.013) 1(-45.245,-44.013) 1(-45.245,-44.013) 1(-45.245,-44.013) 1(-45.245,-44.013) 1(-45.245,-44.007) 1(-45.245,-44.007) 1(-45.245,-44.007) 1(-45.245,-43.985) 1(-45.245,-43.985) 1(-45.245,-43.985) 1(-45.245,-43.985) 1(-45.245,-43.985) 1(-45.245,-43.985) 1(-45.245,-43.979) 1(-45.245,-43.979) 1(-45.245,-43.979) 1(-45.245,-43.979) 1(-45.245,-43.979) 1(-45.245,-43.979) 1(-45.245,-44) 1(-45.245,-44) 1(-45.245,-44) 1(-45.245,-44) 1(-45.245,-44) 1(-45.245,-44) 1(-45.245,-43.997) 1(-45.245,-43.997) 1(-45.245,-43.997) 1(-45.245,-43.997) 1(-45.245,-43.997) 1(-45.245,-43.997) 1(-45.245,-44.004) 1(-45.245,-44.004) 1(-45.245,-44.004) 1(-45.245,-44) 1(-45.245,-44) 1(-45.245,-44) 1(-45.245,-44) 1(-45.245,-44) 1(-45.245,-44) 1(-45.245,-43.978) 1(-45.245,-43.978) 1(-45.245,-43.978) 1(-45.245,-43.978) 1(-45.245,-43.978) 1(-45.245,-43.978) 1(-45.245,-43.978) 1(-45.245,-43.978) 1(-45.245,-43.978) 1(-45.245,-44.002) 1(-45.245,-44.002) 1(-45.245,-44.002) 1(-45.245,-43.987) 1(-45.245,-43.987) 1(-45.245,-43.987) 1(-45.245,-43.987) 1(-45.245,-43.987) 1(-45.245,-43.987) 1(-45.245,-43.986) 1(-45.245,-43.986) 1(-45.245,-43.986) 1(-45.245,-43.986) 1(-45.245,-43.986) 1(-45.245,-43.986) 1(-45.245,-43.994) 1(-45.245,-43.994) 1(-45.245,-43.994) 1(-45.245,-43.994) 1(-45.245,-43.994) 1(-45.245,-43.994) 1(-45.245,-44) 1(-45.245,-44) 1(-45.245,-44) 1(-45.245,-44) 1(-45.245,-44) 1(-45.245,-44) 1(-45.245,-43.996) 1(-45.245,-43.996) 1(-45.245,-43.996) 1(-45.245,-43.996) 1(-45.245,-43.996) 1(-45.245,-43.996) 1(-45.245,-43.994) 1(-45.245,-43.994) 1(-45.245,-43.994) 1(-45.245,-43.994) 1(-45.245,-43.994) 1(-45.245,-43.994) 1(-45.245,-44) 1(-45.245,-44) 1(-45.245,-44) 1(-45.245,-44) 1(-45.245,-44) 1(-45.245,-44) 1(-45.245,-43.994) 1(-45.245,-43.994) 1(-45.245,-43.994) 1(-45.245,-43.994) 1(-45.245,-43.994) 1(-45.245,-43.994) 1(-45.245,-43.99) 1(-45.245,-43.99) 1(-45.245,-43.99) 1(-45.245,-44) 1(-45.245,-44) 1(-45.245,-44) 1(-45.245,-44) 1(-45.245,-44) 1(-45.245,-44) 1(-45.245,-44.001) 1(-45.245,-44.001) 1(-45.245,-44.001) 1(-45.244,-44.012) 1(-45.244,-44.012) 1(-45.244,-44.012) 1(-45.244,-44.003) 1(-45.244,-44.003) 1(-45.244,-44.003) 1(-45.244,-44.014) 1(-45.244,-44.014) 1(-45.244,-44.014) 1(-45.244,-43.977) 1(-45.244,-43.977) 1(-45.244,-43.977) 1(-45.244,-44.016) 1(-45.244,-44.016) 1(-45.244,-44.016) 1(-45.244,-44) 1(-45.244,-44) 1(-45.244,-44) 1(-45.244,-44) 1(-45.244,-44) 1(-45.244,-44) 1(-45.244,-43.995) 1(-45.244,-43.995) 1(-45.244,-43.995) 1(-45.244,-43.995) 1(-45.244,-43.995) 1(-45.244,-43.995) 1(-45.244,-43.993) 1(-45.244,-43.993) 1(-45.244,-43.993) 1(-45.244,-43.978) 1(-45.244,-43.978) 1(-45.244,-43.978) 1(-45.244,-43.986) 1(-45.244,-43.986) 1(-45.244,-43.986) 1(-45.244,-43.986) 1(-45.244,-43.986) 1(-45.244,-43.986) 1(-45.244,-43.978) 1(-45.244,-43.978) 1(-45.244,-43.978) 1(-45.244,-43.978) 1(-45.244,-43.978) 1(-45.244,-43.978) 1(-45.244,-44.022) 1(-45.244,-44.022) 1(-45.244,-44.022) 1(-45.244,-44.022) 1(-45.244,-44.022) 1(-45.244,-44.022) 1(-45.244,-44.022) 1(-45.244,-44.022) 1(-45.244,-44.022) 1(-45.244,-44.022) 1(-45.244,-44.022) 1(-45.244,-44.022) 1(-45.244,-43.999) 1(-45.244,-43.999) 1(-45.244,-43.999) 1(-45.244,-43.999) 1(-45.244,-43.999) 1(-45.244,-43.999) 1(-45.244,-43.995) 1(-45.244,-43.995) 1(-45.244,-43.995) 1(-45.244,-43.995) 1(-45.244,-43.995) 1(-45.244,-43.995) 1(-45.244,-44) 1(-45.244,-44) 1(-45.244,-44) 1(-45.243,-44.024) 1(-45.243,-44.024) 1(-45.243,-44.024) 1(-45.243,-43.994) 1(-45.243,-43.994) 1(-45.243,-43.994) 1(-45.243,-44.021) 1(-45.243,-44.021) 1(-45.243,-44.021) 1(-45.243,-44.021) 1(-45.243,-44.021) 1(-45.243,-44.021) 1(-45.243,-44.021) 1(-45.243,-44.021) 1(-45.243,-44.021) 1(-45.243,-44.021) 1(-45.243,-44.021) 1(-45.243,-44.021) 1(-45.243,-44.003) 1(-45.243,-44.003) 1(-45.243,-44.003) 1(-45.243,-44.003) 1(-45.243,-44.003) 1(-45.243,-44.003) 1(-45.243,-43.999) 1(-45.243,-43.999) 1(-45.243,-43.999) 1(-45.243,-43.999) 1(-45.243,-43.999) 1(-45.243,-43.999) 1(-45.243,-43.997) 1(-45.243,-43.997) 1(-45.243,-43.997) 1(-45.243,-43.995) 1(-45.243,-43.995) 1(-45.243,-43.995) 1(-45.243,-43.995) 1(-45.243,-43.995) 1(-45.243,-43.995) 1(-45.243,-44.016) 1(-45.243,-44.016) 1(-45.243,-44.016) 1(-45.243,-43.984) 1(-45.243,-43.984) 1(-45.243,-43.984) 1(-45.243,-43.984) 1(-45.243,-43.984) 1(-45.243,-43.984) 1(-45.243,-43.978) 1(-45.243,-43.978) 1(-45.243,-43.978) 1(-45.243,-44.013) 1(-45.243,-44.013) 1(-45.243,-44.013) 1(-45.243,-44.013) 1(-45.243,-44.013) 1(-45.243,-44.013) 1(-45.242,-43.99) 1(-45.242,-43.99) 1(-45.242,-43.99) 1(-45.242,-43.99) 1(-45.242,-43.99) 1(-45.242,-43.99) 1(-45.242,-43.994) 1(-45.242,-43.994) 1(-45.242,-43.994) 1(-45.242,-44.003) 1(-45.242,-44.003) 1(-45.242,-44.003) 1(-45.242,-43.993) 1(-45.242,-43.993) 1(-45.242,-43.993) 1(-45.242,-44.024) 1(-45.242,-44.024) 1(-45.242,-44.024) 1(-45.242,-44.024) 1(-45.242,-44.024) 1(-45.242,-44.024) 1(-45.241,-44.024) 1(-45.241,-44.024) 1(-45.241,-44.024) 1(-45.241,-44.024) 1(-45.241,-44.024) 1(-45.241,-44.024) 1(-45.241,-43.997) 1(-45.241,-43.997) 1(-45.241,-43.997) 1(-45.241,-43.978) 1(-45.241,-43.978) 1(-45.241,-43.978) 1(-45.241,-43.984) 1(-45.241,-43.984) 1(-45.241,-43.984) 1(-45.241,-43.984) 1(-45.241,-43.984) 1(-45.241,-43.984) 1(-45.241,-43.978) 1(-45.241,-43.978) 1(-45.241,-43.978) 1(-45.241,-43.978) 1(-45.241,-43.978) 1(-45.241,-43.978) 1(-45.241,-44.023) 1(-45.241,-44.023) 1(-45.241,-44.023) 1(-45.241,-44.023)